# KiCad board ae89fa26-SparkFun_Thing_Plus_ESP32-S3_panelized.kicad_pcb (continued)
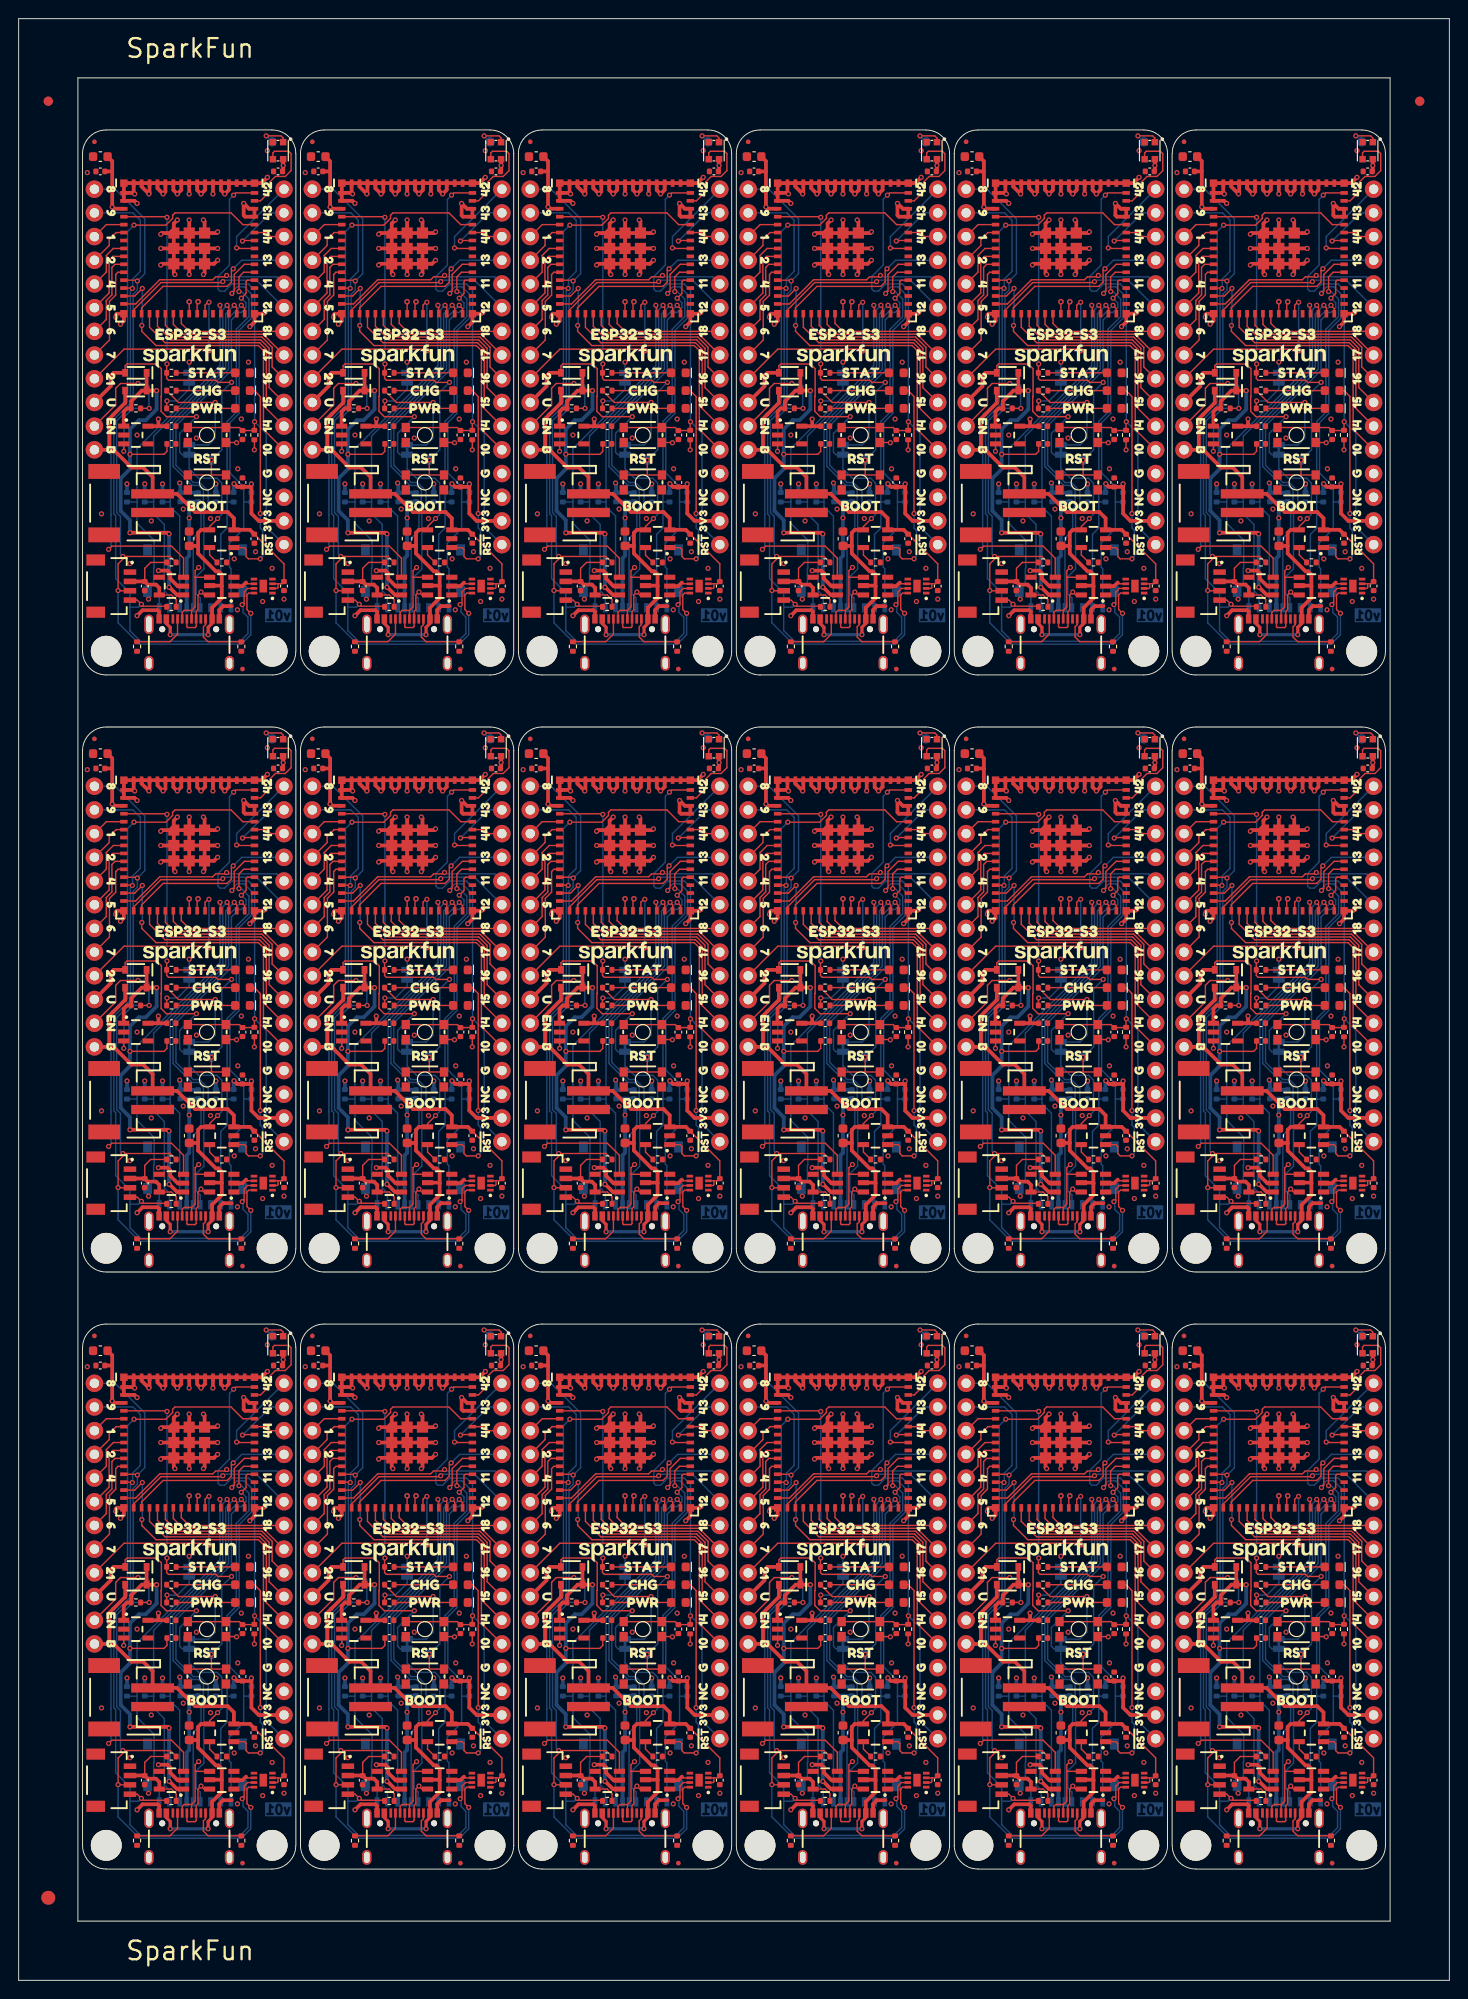
[diagram p0: board, top side]
## Routing (per net, layer and track width the routed paths; a pad name or vN(x,y) marks a point on that pad's centre or on a via; arc(x,y) is an arc through that point) (continued)
ESP34/SDIO_CMD: length 675.5
  Top w0.152: v1(46.47,179.55) 46.74,179.28 U3.29 ; v1(116.55,51.55) 116.82,51.28 U3#14.29 ; v1(93.19,115.55) 93.46,115.28 U3#15.29 ; v1(23.11,51.55) 23.38,51.28 U3#18.29 ; U3#4.29 23.38,115.28 v1(23.11,115.55) ; U3#17.29 70.1,51.28 v1(69.83,51.55) ; U3#2.29 46.74,51.28 v1(46.47,51.55) ; U3#9.29 116.82,115.28 v1(116.55,115.55) ; U3#5.29 46.74,115.28 v1(46.47,115.55) ; v1(116.55,179.55) 116.82,179.28 U3#6.29 ; v1(23.11,179.55) 23.38,179.28 U3#3.29 ; U3#10.29 93.46,179.28 v1(93.19,179.55) ; v1(139.91,51.55) 140.18,51.28 U3#16.29 ; U3#8.29 70.1,115.28 v1(69.83,115.55) ; v1(139.91,115.55) 140.18,115.28 U3#12.29 ; U3#7.29 70.1,179.28 v1(69.83,179.55) ; U3#13.29 140.18,179.28 v1(139.91,179.55) ; U3#11.29 93.46,51.28 v1(93.19,51.55)
  Bottom w0.152: v1(69.83,179.55) 68.91,178.64 68.91,172.82 62.97,166.88 62.97,158.47 ; v1(116.55,115.55) 115.63,114.64 115.63,108.82 109.69,102.88 109.69,94.47 ; 86.33,30.47 86.33,30.47 R1#3.2 ; 86.33,30.47 86.33,29.96 87.34,28.95 87.34,19.13 ; 86.33,30.47 86.33,38.88 92.27,44.82 92.27,50.64 v1(93.19,51.55) ; 16.25,158.47 16.25,157.96 17.27,156.95 J2#13.3 ; 16.25,158.47 16.25,166.88 22.19,172.82 22.19,178.64 v1(23.11,179.55) ; 16.25,158.47 16.25,158.47 R1#8.2 ; 86.33,94.47 86.33,102.88 92.27,108.82 92.27,114.64 v1(93.19,115.55) ; 86.33,94.47 86.33,93.96 87.34,92.95 J2#16.3 ; 86.33,94.47 86.33,94.47 R1#10.2 ; 62.97,30.47 62.97,30.47 R1#6.2 ; 62.97,30.47 62.97,38.88 68.91,44.82 68.91,50.64 v1(69.83,51.55) ; 62.97,30.47 62.97,29.96 63.99,28.95 63.99,19.13 ; 110.71,147.13 110.71,156.95 109.69,157.96 109.69,158.47 ; J2#4.3 40.62,156.95 39.61,157.96 39.61,158.47 ; v1(46.47,115.55) 45.55,114.64 45.55,108.82 39.61,102.88 39.61,94.47 ; 134.06,19.13 134.06,28.95 133.05,29.96 133.05,30.47 ; R1#9.2 39.61,158.47 39.61,158.47 ; 109.69,158.47 109.69,158.47 R1#2.2 ; 109.69,158.47 109.69,166.88 115.63,172.82 115.63,178.64 v1(116.55,179.55) ; 109.69,94.47 109.69,94.47 R1#14.2 ; 109.69,94.47 109.69,93.96 110.71,92.95 110.71,83.13 ; R1#11.2 109.69,30.47 109.69,30.47 ; 39.61,30.47 39.61,38.88 45.55,44.82 45.55,50.64 v1(46.47,51.55) ; 39.61,30.47 39.61,29.96 40.62,28.95 40.62,19.13 ; 39.61,30.47 39.61,30.47 R1#5.2 ; v1(23.11,115.55) 22.19,114.64 22.19,108.82 16.25,102.88 16.25,94.47 ; 39.61,158.47 39.61,166.88 45.55,172.82 45.55,178.64 v1(46.47,179.55) ; v1(139.91,115.55) 138.99,114.64 138.99,108.82 133.05,102.88 133.05,94.47 ; 17.27,19.13 17.27,28.95 16.25,29.96 16.25,30.47 ; 133.05,158.47 133.05,157.96 134.06,156.95 J2#18.3 ; 133.05,158.47 133.05,158.47 R1#16.2 ; 133.05,158.47 133.05,166.88 138.99,172.82 138.99,178.64 v1(139.91,179.55) ; R1#18.2 16.25,30.47 16.25,30.47 ; J2#10.3 134.06,92.95 133.05,93.96 133.05,94.47 ; 109.69,30.47 109.69,29.96 110.71,28.95 110.71,19.13 ; 109.69,30.47 109.69,38.88 115.63,44.82 115.63,50.64 v1(116.55,51.55) ; 133.05,94.47 133.05,94.47 R1#17.2 ; 62.97,158.47 62.97,157.96 63.99,156.95 63.99,147.13 ; 62.97,158.47 62.97,158.47 R1#13.2 ; J2#6.3 87.34,156.95 86.33,157.96 86.33,158.47 ; v1(139.91,51.55) 138.99,50.64 138.99,44.82 133.05,38.88 133.05,30.47 ; 16.25,94.47 16.25,93.96 17.27,92.95 J2#7.3 ; 16.25,94.47 16.25,94.47 R1.2 ; 133.05,30.47 133.05,30.47 R1#4.2 ; 16.25,30.47 16.25,38.88 22.19,44.82 22.19,50.64 v1(23.11,51.55) ; 86.33,158.47 86.33,166.88 92.27,172.82 92.27,178.64 v1(93.19,179.55) ; 86.33,158.47 86.33,158.47 R1#12.2 ; 62.97,94.47 62.97,94.47 R1#7.2 ; 62.97,94.47 62.97,102.88 68.91,108.82 68.91,114.64 v1(69.83,115.55) ; 62.97,94.47 62.97,93.96 63.99,92.95 63.99,83.13 ; 39.61,94.47 39.61,93.96 40.62,92.95 J2#15.3 ; 39.61,94.47 39.61,94.47 R1#15.2
ESP38/SDIO_CLK: length 773.9
  Top w0.152: v1(93.95,116.32) 94.46,116.82 94.46,118.09 94.61,118.25 U3#15.34 ; v1(47.23,52.32) 47.74,52.82 47.74,54.09 47.89,54.25 U3#2.34 ; v1(117.31,116.32) 117.82,116.82 117.82,118.09 117.97,118.25 U3#9.34 ; U3#3.34 24.53,182.25 24.38,182.09 24.38,180.82 v1(23.87,180.32) ; U3#14.34 117.97,54.25 117.82,54.09 117.82,52.82 v1(117.31,52.32) ; U3#7.34 71.25,182.25 71.1,182.09 71.1,180.82 v1(70.59,180.32) ; v1(140.67,52.32) 141.18,52.82 141.18,54.09 141.33,54.25 U3#16.34 ; U3#5.34 47.89,118.25 47.74,118.09 47.74,116.82 v1(47.23,116.32) ; U3#18.34 24.53,54.25 24.38,54.09 24.38,52.82 v1(23.87,52.32) ; v1(93.95,52.32) 94.46,52.82 94.46,54.09 94.61,54.25 U3#11.34 ; v1(140.67,180.32) 141.18,180.82 141.18,182.09 141.33,182.25 U3#13.34 ; v1(70.59,52.32) 71.1,52.82 71.1,54.09 71.25,54.25 U3#17.34 ; v1(23.87,116.32) 24.38,116.82 24.38,118.09 24.53,118.25 U3#4.34 ; U3#10.34 94.61,182.25 94.46,182.09 94.46,180.82 v1(93.95,180.32) ; U3#8.34 71.25,118.25 71.1,118.09 71.1,116.82 v1(70.59,116.32) ; U3#12.34 141.33,118.25 141.18,118.09 141.18,116.82 v1(140.67,116.32) ; v1(117.31,180.32) 117.82,180.82 117.82,182.09 117.97,182.25 U3#6.34 ; U3.34 47.89,182.25 47.74,182.09 47.74,180.82 v1(47.23,180.32)
  Bottom w0.152: v1(70.59,116.32) 71.1,115.81 71.1,115.3 70.59,114.79 70.33,114.79 69.52,113.98 69.52,108.57 63.58,102.63 63.58,98.41 65.43,96.55 66.12,96.55 67.03,95.64 67.03,94.47 ; 67.03,30.47 67.03,30.04 66.57,29.58 66.57,23.29 65.74,22.45 65.74,20.63 66.19,20.19 66.19,19.13 ; 67.03,30.47 67.03,31.64 66.12,32.55 65.43,32.55 63.58,34.41 63.58,38.63 69.52,44.57 69.52,49.98 70.33,50.79 70.59,50.79 71.1,51.3 71.1,51.81 v1(70.59,52.32) ; 67.03,30.47 67.03,30.47 R2#12.2 ; R2#9.2 90.39,94.47 90.39,94.47 ; 137.11,30.47 137.11,30.47 R2#17.2 ; 137.11,30.47 137.11,31.64 136.2,32.55 135.51,32.55 133.66,34.41 133.66,38.63 139.6,44.57 139.6,49.98 140.41,50.79 140.67,50.79 141.18,51.3 141.18,51.81 v1(140.67,52.32) ; 137.11,30.47 137.11,30.04 136.65,29.58 136.65,23.29 135.82,22.45 135.82,20.63 136.26,20.19 136.26,19.13 ; 43.67,30.47 43.67,30.47 R2#6.2 ; 43.67,30.47 43.67,31.64 42.76,32.55 42.07,32.55 40.22,34.41 40.22,38.63 46.16,44.57 46.16,49.98 46.97,50.79 47.23,50.79 47.74,51.3 47.74,51.81 v1(47.23,52.32) ; 43.67,30.47 43.67,30.04 43.21,29.58 43.21,23.29 42.38,22.45 42.38,20.63 42.82,20.19 42.82,19.13 ; J2#16.5 89.54,84.19 89.1,84.63 89.1,86.45 89.93,87.29 89.93,93.58 90.39,94.04 90.39,94.47 ; J2#6.5 89.54,148.19 89.1,148.63 89.1,150.45 89.93,151.29 89.93,157.58 90.39,158.04 90.39,158.47 ; 19.47,19.13 19.47,20.19 19.02,20.63 19.02,22.45 19.85,23.29 19.85,29.58 20.31,30.04 20.31,30.47 ; v1(47.23,116.32) 47.74,115.81 47.74,115.3 47.23,114.79 46.97,114.79 46.16,113.98 46.16,108.57 40.22,102.63 40.22,98.41 42.07,96.55 42.76,96.55 43.67,95.64 43.67,94.47 ; v1(117.31,52.32) 117.82,51.81 117.82,51.3 117.31,50.79 117.05,50.79 116.24,49.98 116.24,44.57 110.3,38.63 110.3,34.41 112.15,32.55 112.84,32.55 113.75,31.64 113.75,30.47 ; 90.39,94.47 90.39,95.64 89.48,96.55 88.79,96.55 86.94,98.41 86.94,102.63 92.88,108.57 92.88,113.98 93.69,114.79 93.95,114.79 94.46,115.3 94.46,115.81 v1(93.95,116.32) ; v1(117.31,116.32) 117.82,115.81 117.82,115.3 117.31,114.79 117.05,114.79 116.24,113.98 116.24,108.57 110.3,102.63 110.3,98.41 112.15,96.55 112.84,96.55 113.75,95.64 113.75,94.47 ; 113.75,94.47 113.75,94.04 113.29,93.58 113.29,87.29 112.46,86.45 112.46,84.63 112.91,84.19 J2#17.5 ; 113.75,94.47 113.75,94.47 R2#10.2 ; J2#13.5 19.47,148.19 19.02,148.63 19.02,150.45 19.85,151.29 19.85,157.58 20.31,158.04 20.31,158.47 ; 137.11,94.47 137.11,94.04 136.65,93.58 136.65,87.29 135.82,86.45 135.82,84.63 136.26,84.19 J2#10.5 ; 137.11,94.47 137.11,95.64 136.2,96.55 135.51,96.55 133.66,98.41 133.66,102.63 139.6,108.57 139.6,113.98 140.41,114.79 140.67,114.79 141.18,115.3 141.18,115.81 v1(140.67,116.32) ; 137.11,94.47 137.11,94.47 R2#16.2 ; R2.2 90.39,30.47 90.39,30.47 ; R2#15.2 113.75,158.47 113.75,158.47 ; 113.75,158.47 113.75,158.04 113.29,157.58 113.29,151.29 112.46,150.45 112.46,148.63 112.91,148.19 J2#9.5 ; 113.75,158.47 113.75,159.64 112.84,160.55 112.15,160.55 110.3,162.41 110.3,166.63 116.24,172.57 116.24,177.98 117.05,178.79 117.31,178.79 117.82,179.3 117.82,179.81 v1(117.31,180.32) ; 137.11,158.47 137.11,158.47 R2#11.2 ; 137.11,158.47 137.11,158.04 136.65,157.58 136.65,151.29 135.82,150.45 135.82,148.63 136.26,148.19 J2#18.5 ; 137.11,158.47 137.11,159.64 136.2,160.55 135.51,160.55 133.66,162.41 133.66,166.63 139.6,172.57 139.6,177.98 140.41,178.79 140.67,178.79 141.18,179.3 141.18,179.81 v1(140.67,180.32) ; 67.03,94.47 67.03,94.47 R2#2.2 ; 67.03,94.47 67.03,94.04 66.57,93.58 66.57,87.29 65.74,86.45 65.74,84.63 66.19,84.19 J2#12.5 ; 89.54,19.13 89.54,20.19 89.1,20.63 89.1,22.45 89.93,23.29 89.93,29.58 90.39,30.04 90.39,30.47 ; v1(47.23,180.32) 47.74,179.81 47.74,179.3 47.23,178.79 46.97,178.79 46.16,177.98 46.16,172.57 40.22,166.63 40.22,162.41 42.07,160.55 42.76,160.55 43.67,159.64 43.67,158.47 ; 20.31,158.47 20.31,158.47 R2#5.2 ; 20.31,158.47 20.31,159.64 19.4,160.55 18.71,160.55 16.86,162.41 16.86,166.63 22.8,172.57 22.8,177.98 23.61,178.79 23.87,178.79 24.38,179.3 24.38,179.81 v1(23.87,180.32) ; 67.03,158.47 67.03,158.47 R2#13.2 ; 67.03,158.47 67.03,158.04 66.57,157.58 66.57,151.29 65.74,150.45 65.74,148.63 66.19,148.19 J2#14.5 ; 67.03,158.47 67.03,159.64 66.12,160.55 65.43,160.55 63.58,162.41 63.58,166.63 69.52,172.57 69.52,177.98 70.33,178.79 70.59,178.79 71.1,179.3 71.1,179.81 v1(70.59,180.32) ; 112.91,19.13 112.91,20.19 112.46,20.63 112.46,22.45 113.29,23.29 113.29,29.58 113.75,30.04 113.75,30.47 ; 43.67,94.47 43.67,94.47 R2#8.2 ; 43.67,94.47 43.67,94.04 43.21,93.58 43.21,87.29 42.38,86.45 42.38,84.63 42.82,84.19 J2#15.5 ; R2#3.2 113.75,30.47 113.75,30.47 ; R2#4.2 20.31,94.47 20.31,94.47 ; 20.31,30.47 20.31,30.47 R2#18.2 ; 20.31,30.47 20.31,31.64 19.4,32.55 18.71,32.55 16.86,34.41 16.86,38.63 22.8,44.57 22.8,49.98 23.61,50.79 23.87,50.79 24.38,51.3 24.38,51.81 v1(23.87,52.32) ; v1(93.95,180.32) 94.46,179.81 94.46,179.3 93.95,178.79 93.69,178.79 92.88,177.98 92.88,172.57 86.94,166.63 86.94,162.41 88.79,160.55 89.48,160.55 90.39,159.64 90.39,158.47 ; 90.39,30.47 90.39,31.64 89.48,32.55 88.79,32.55 86.94,34.41 86.94,38.63 92.88,44.57 92.88,49.98 93.69,50.79 93.95,50.79 94.46,51.3 94.46,51.81 v1(93.95,52.32) ; 90.39,158.47 90.39,158.47 R2#14.2 ; 43.67,158.47 43.67,158.47 R2#7.2 ; 43.67,158.47 43.67,158.04 43.21,157.58 43.21,151.29 42.38,150.45 42.38,148.63 42.82,148.19 J2#4.5 ; 20.31,94.47 20.31,94.04 19.85,93.58 19.85,87.29 19.02,86.45 19.02,84.63 19.47,84.19 J2#7.5 ; 20.31,94.47 20.31,95.64 19.4,96.55 18.71,96.55 16.86,98.41 16.86,102.63 22.8,108.57 22.8,113.98 23.61,114.79 23.87,114.79 24.38,115.3 24.38,115.81 v1(23.87,116.32)
ESP39/SDIO0: length 718
  Top w0.152: v1(117.05,181.03) 117.05,182.6 117.55,183.1 U3#6.35 ; U3#10.35 94.19,183.1 93.69,182.6 v1(93.69,181.03) ; U3#2.35 47.47,55.1 46.97,54.6 v1(46.97,53.03) ; v1(70.33,181.03) 70.33,182.6 70.83,183.1 U3#7.35 ; v1(140.41,53.03) 140.41,54.6 140.91,55.1 U3#16.35 ; v1(93.69,53.03) 93.69,54.6 94.19,55.1 U3#11.35 ; U3#12.35 140.91,119.1 140.41,118.6 v1(140.41,117.03) ; v1(23.61,53.03) 23.61,54.6 24.11,55.1 U3#18.35 ; U3#3.35 24.11,183.1 23.61,182.6 v1(23.61,181.03) ; U3#5.35 47.47,119.1 46.97,118.6 v1(46.97,117.03) ; v1(46.97,181.03) 46.97,182.6 47.47,183.1 U3.35 ; U3#9.35 117.55,119.1 117.05,118.6 v1(117.05,117.03) ; v1(70.33,117.03) 70.33,118.6 70.83,119.1 U3#8.35 ; v1(117.05,53.03) 117.05,54.6 117.55,55.1 U3#14.35 ; v1(140.41,181.03) 140.41,182.6 140.91,183.1 U3#13.35 ; U3#17.35 70.83,55.1 70.33,54.6 v1(70.33,53.03) ; v1(93.69,117.03) 93.69,118.6 94.19,119.1 U3#15.35 ; U3#4.35 24.11,119.1 23.61,118.6 v1(23.61,117.03)
  Bottom w0.152: 45.7,94.47 45.71,94.47 R3#11.2 ; 45.7,94.47 45.7,103.11 46.69,104.09 46.69,112.98 48.04,114.34 48.04,116.22 47.24,117.03 v1(46.97,117.03) ; 45.7,94.47 45.7,91.68 45.03,91 J2#15.7 ; 22.34,30.47 22.34,39.11 23.33,40.09 23.33,48.98 24.68,50.34 24.68,52.22 23.88,53.03 v1(23.61,53.03) ; 22.34,30.47 22.34,27.68 21.67,27 21.67,19.13 ; 22.34,30.47 22.35,30.47 R3#18.2 ; 22.34,94.47 22.35,94.47 R3#5.2 ; 22.34,94.47 22.34,103.11 23.33,104.09 23.33,112.98 24.68,114.34 24.68,116.22 23.88,117.03 v1(23.61,117.03) ; 22.34,94.47 22.34,91.68 21.67,91 J2#7.7 ; J2#12.7 68.38,91 69.06,91.68 69.06,94.47 ; 69.06,94.47 69.06,103.11 70.05,104.09 70.05,112.98 71.4,114.34 71.4,116.22 70.6,117.03 v1(70.33,117.03) ; 69.06,94.47 69.07,94.47 R3.2 ; R3#6.2 45.71,30.47 45.7,30.47 ; R3#12.2 22.35,158.47 22.34,158.47 ; 92.42,94.47 92.42,103.11 93.41,104.09 93.41,112.98 94.76,114.34 94.76,116.22 93.96,117.03 v1(93.69,117.03) ; 92.42,94.47 92.43,94.47 R3#14.2 ; 92.42,94.47 92.42,91.68 91.75,91 J2#16.7 ; J2#17.7 115.1,91 115.78,91.68 115.78,94.47 ; 68.38,19.13 68.38,27 69.06,27.68 69.06,30.47 ; 139.14,158.47 139.15,158.47 R3#2.2 ; 139.14,158.47 139.14,155.68 138.47,155 J2#18.7 ; 139.14,158.47 139.14,167.11 140.13,168.09 140.13,176.98 141.48,178.34 141.48,180.22 140.68,181.03 v1(140.41,181.03) ; v1(70.33,53.03) 70.6,53.03 71.4,52.22 71.4,50.34 70.05,48.98 70.05,40.09 69.06,39.11 69.06,30.47 ; R3#3.2 69.07,30.47 69.06,30.47 ; 139.14,30.47 139.14,27.68 138.47,27 138.47,19.13 ; 139.14,30.47 139.15,30.47 R3#4.2 ; 139.14,30.47 139.14,39.11 140.13,40.09 140.13,48.98 141.48,50.34 141.48,52.22 140.68,53.03 v1(140.41,53.03) ; 115.78,158.47 115.78,167.11 116.77,168.09 116.77,176.98 118.12,178.34 118.12,180.22 117.32,181.03 v1(117.05,181.03) ; 115.78,158.47 115.79,158.47 R3#16.2 ; 115.78,158.47 115.78,155.68 115.1,155 J2#9.7 ; R3#15.2 115.79,94.47 115.78,94.47 ; 92.42,158.47 92.43,158.47 R3#9.2 ; 92.42,158.47 92.42,167.11 93.41,168.09 93.41,176.98 94.76,178.34 94.76,180.22 93.96,181.03 v1(93.69,181.03) ; 92.42,158.47 92.42,155.68 91.75,155 J2#6.7 ; v1(46.97,53.03) 47.24,53.03 48.04,52.22 48.04,50.34 46.69,48.98 46.69,40.09 45.7,39.11 45.7,30.47 ; 69.06,158.47 69.06,155.68 68.38,155 J2#14.7 ; 69.06,158.47 69.07,158.47 R3#10.2 ; 69.06,158.47 69.06,167.11 70.05,168.09 70.05,176.98 71.4,178.34 71.4,180.22 70.6,181.03 v1(70.33,181.03) ; v1(23.61,181.03) 23.88,181.03 24.68,180.22 24.68,178.34 23.33,176.98 23.33,168.09 22.34,167.11 22.34,158.47 ; 92.42,30.47 92.42,27.68 91.75,27 91.75,19.13 ; 92.42,30.47 92.43,30.47 R3#8.2 ; 92.42,30.47 92.42,39.11 93.41,40.09 93.41,48.98 94.76,50.34 94.76,52.22 93.96,53.03 v1(93.69,53.03) ; 22.34,158.47 22.34,155.68 21.67,155 J2#13.7 ; 45.7,30.47 45.7,27.68 45.03,27 45.03,19.13 ; R3#13.2 115.79,30.47 115.78,30.47 ; 45.7,158.47 45.7,155.68 45.03,155 J2#4.7 ; 45.7,158.47 45.7,167.11 46.69,168.09 46.69,176.98 48.04,178.34 48.04,180.22 47.24,181.03 v1(46.97,181.03) ; 45.7,158.47 45.71,158.47 R3#7.2 ; 115.78,94.47 115.78,103.11 116.77,104.09 116.77,112.98 118.12,114.34 118.12,116.22 117.32,117.03 v1(117.05,117.03) ; 139.14,94.47 139.14,91.68 138.47,91 J2#10.7 ; 139.14,94.47 139.14,103.11 140.13,104.09 140.13,112.98 141.48,114.34 141.48,116.22 140.68,117.03 v1(140.41,117.03) ; 139.14,94.47 139.15,94.47 R3#17.2 ; v1(117.05,53.03) 117.32,53.03 118.12,52.22 118.12,50.34 116.77,48.98 116.77,40.09 115.78,39.11 115.78,30.47 ; 115.78,30.47 115.78,27.68 115.1,27 115.1,19.13
ESP40/SDIO1: length 797.8
  Top w0.152: U3#13.36 141,183.95 139.91,182.86 139.91,181.08 v1(139.65,180.82) ; v1(139.65,52.82) 139.91,53.08 139.91,54.86 141,55.95 U3#16.36 ; v1(92.93,52.82) 93.19,53.08 93.19,54.86 94.28,55.95 U3#11.36 ; U3#17.36 70.92,55.95 69.83,54.86 69.83,53.08 v1(69.57,52.82) ; v1(116.29,180.82) 116.55,181.08 116.55,182.86 117.64,183.95 U3#6.36 ; U3#2.36 47.56,55.95 46.47,54.86 46.47,53.08 v1(46.21,52.82) ; v1(22.85,52.82) 23.11,53.08 23.11,54.86 24.2,55.95 U3#18.36 ; U3#14.36 117.64,55.95 116.55,54.86 116.55,53.08 v1(116.29,52.82) ; v1(69.57,180.82) 69.83,181.08 69.83,182.86 70.92,183.95 U3#7.36 ; U3.36 47.56,183.95 46.47,182.86 46.47,181.08 v1(46.21,180.82) ; v1(116.29,116.82) 116.55,117.08 116.55,118.86 117.64,119.95 U3#9.36 ; v1(22.85,180.82) 23.11,181.08 23.11,182.86 24.2,183.95 U3#3.36 ; v1(92.93,180.82) 93.19,181.08 93.19,182.86 94.28,183.95 U3#10.36 ; U3#15.36 94.28,119.95 93.19,118.86 93.19,117.08 v1(92.93,116.82) ; v1(46.21,116.82) 46.47,117.08 46.47,118.86 47.56,119.95 U3#5.36 ; U3#8.36 70.92,119.95 69.83,118.86 69.83,117.08 v1(69.57,116.82) ; U3#12.36 141,119.95 139.91,118.86 139.91,117.08 v1(139.65,116.82) ; v1(22.85,116.82) 23.11,117.08 23.11,118.86 24.2,119.95 U3#4.36
  Bottom w0.152: 140.92,158.47 140.92,155.61 139.4,154.08 139.4,151.49 139.56,151.32 J2#18.8 ; 140.92,158.47 140.92,160.11 139.45,161.58 139.45,166.98 140.43,167.97 140.43,176.86 141.79,178.21 141.79,180.72 140.97,181.54 140.2,181.54 139.65,180.98 v1(139.65,180.82) ; 140.92,158.47 140.92,158.47 R4#17.2 ; v1(69.57,180.82) 69.57,180.98 70.12,181.54 70.89,181.54 71.71,180.72 71.71,178.21 70.35,176.86 70.35,167.97 69.37,166.98 69.37,161.58 70.84,160.11 70.84,158.47 ; R4#2.2 24.12,158.47 24.12,158.47 ; 92.84,19.13 92.84,23.32 92.68,23.49 92.68,26.08 94.2,27.61 94.2,30.47 ; 117.56,94.47 117.56,94.47 R4#13.2 ; 117.56,94.47 117.56,91.61 116.04,90.08 116.04,87.49 116.21,87.32 116.21,83.13 ; 117.56,94.47 117.56,96.11 116.09,97.58 116.09,102.98 117.07,103.97 117.07,112.86 118.43,114.21 118.43,116.72 117.61,117.54 116.84,117.54 116.29,116.98 v1(116.29,116.82) ; 70.84,158.47 70.84,155.61 69.32,154.08 69.32,151.49 69.49,151.32 69.49,147.13 ; 70.84,158.47 70.84,158.47 R4#8.2 ; 47.48,158.47 47.48,155.61 45.96,154.08 45.96,151.49 46.12,151.32 J2#4.8 ; 47.48,158.47 47.48,160.11 46.01,161.58 46.01,166.98 46.99,167.97 46.99,176.86 48.35,178.21 48.35,180.72 47.53,181.54 46.76,181.54 46.21,180.98 v1(46.21,180.82) ; 47.48,158.47 47.48,158.47 R4#3.2 ; R4#14.2 117.56,158.47 117.56,158.47 ; J2#7.8 22.77,87.32 22.6,87.49 22.6,90.08 24.12,91.61 24.12,94.47 ; 94.2,94.47 94.2,91.61 92.68,90.08 92.68,87.49 92.84,87.32 J2#16.8 ; 94.2,94.47 94.2,96.11 92.73,97.58 92.73,102.98 93.71,103.97 93.71,112.86 95.07,114.21 95.07,116.72 94.25,117.54 93.48,117.54 92.93,116.98 v1(92.93,116.82) ; 94.2,94.47 94.2,94.47 R4#10.2 ; J2#6.8 92.84,151.32 92.68,151.49 92.68,154.08 94.2,155.61 94.2,158.47 ; 47.48,94.47 47.48,96.11 46.01,97.58 46.01,102.98 46.99,103.97 46.99,112.86 48.35,114.21 48.35,116.72 47.53,117.54 46.76,117.54 46.21,116.98 v1(46.21,116.82) ; 47.48,94.47 47.48,94.47 R4#6.2 ; 47.48,94.47 47.48,91.61 45.96,90.08 45.96,87.49 46.12,87.32 J2#15.8 ; R4#4.2 47.48,30.47 47.48,30.47 ; R4#15.2 140.92,30.47 140.92,30.47 ; 139.56,19.13 139.56,23.32 139.4,23.49 139.4,26.08 140.92,27.61 140.92,30.47 ; 24.12,158.47 24.12,155.61 22.6,154.08 22.6,151.49 22.77,151.32 J2#13.8 ; 24.12,158.47 24.12,160.11 22.65,161.58 22.65,166.98 23.63,167.97 23.63,176.86 24.99,178.21 24.99,180.72 24.17,181.54 23.4,181.54 22.85,180.98 v1(22.85,180.82) ; 24.12,94.47 24.12,94.47 R4#5.2 ; 24.12,94.47 24.12,96.11 22.65,97.58 22.65,102.98 23.63,103.97 23.63,112.86 24.99,114.21 24.99,116.72 24.17,117.54 23.4,117.54 22.85,116.98 v1(22.85,116.82) ; 70.84,94.47 70.84,94.47 R4#7.2 ; 70.84,94.47 70.84,91.61 69.32,90.08 69.32,87.49 69.49,87.32 69.49,83.13 ; 70.84,94.47 70.84,96.11 69.37,97.58 69.37,102.98 70.35,103.97 70.35,112.86 71.71,114.21 71.71,116.72 70.89,117.54 70.12,117.54 69.57,116.98 v1(69.57,116.82) ; 140.92,30.47 140.92,32.11 139.45,33.58 139.45,38.98 140.43,39.97 140.43,48.86 141.79,50.21 141.79,52.72 140.97,53.54 140.2,53.54 139.65,52.98 v1(139.65,52.82) ; 94.2,158.47 94.2,158.47 R4#12.2 ; 94.2,158.47 94.2,160.11 92.73,161.58 92.73,166.98 93.71,167.97 93.71,176.86 95.07,178.21 95.07,180.72 94.25,181.54 93.48,181.54 92.93,180.98 v1(92.93,180.82) ; 117.56,158.47 117.56,160.11 116.09,161.58 116.09,166.98 117.07,167.97 117.07,176.86 118.43,178.21 118.43,180.72 117.61,181.54 116.84,181.54 116.29,180.98 v1(116.29,180.82) ; 117.56,158.47 117.56,155.61 116.04,154.08 116.04,151.49 116.21,151.32 116.21,147.13 ; 70.84,30.47 70.84,30.47 R4.2 ; 70.84,30.47 70.84,27.61 69.32,26.08 69.32,23.49 69.49,23.32 69.49,19.13 ; 70.84,30.47 70.84,32.11 69.37,33.58 69.37,38.98 70.35,39.97 70.35,48.86 71.71,50.21 71.71,52.72 70.89,53.54 70.12,53.54 69.57,52.98 v1(69.57,52.82) ; 22.77,19.13 22.77,23.32 22.6,23.49 22.6,26.08 24.12,27.61 24.12,30.47 ; 117.56,30.47 117.56,30.47 R4#11.2 ; 117.56,30.47 117.56,27.61 116.04,26.08 116.04,23.49 116.21,23.32 116.21,19.13 ; 117.56,30.47 117.56,32.11 116.09,33.58 116.09,38.98 117.07,39.97 117.07,48.86 118.43,50.21 118.43,52.72 117.61,53.54 116.84,53.54 116.29,52.98 v1(116.29,52.82) ; 24.12,30.47 24.12,30.47 R4#18.2 ; 24.12,30.47 24.12,32.11 22.65,33.58 22.65,38.98 23.63,39.97 23.63,48.86 24.99,50.21 24.99,52.72 24.17,53.54 23.4,53.54 22.85,52.98 v1(22.85,52.82) ; R4#9.2 94.2,30.47 94.2,30.47 ; 140.92,94.47 140.92,94.47 R4#16.2 ; 140.92,94.47 140.92,91.61 139.4,90.08 139.4,87.49 139.56,87.32 J2#10.8 ; 140.92,94.47 140.92,96.11 139.45,97.58 139.45,102.98 140.43,103.97 140.43,112.86 141.79,114.21 141.79,116.72 140.97,117.54 140.2,117.54 139.65,116.98 v1(139.65,116.82) ; 47.48,30.47 47.48,32.11 46.01,33.58 46.01,38.98 46.99,39.97 46.99,48.86 48.35,50.21 48.35,52.72 47.53,53.54 46.76,53.54 46.21,52.98 v1(46.21,52.82) ; 47.48,30.47 47.48,27.61 45.96,26.08 45.96,23.49 46.12,23.32 46.12,19.13 ; 94.2,30.47 94.2,32.11 92.73,33.58 92.73,38.98 93.71,39.97 93.71,48.86 95.07,50.21 95.07,52.72 94.25,53.54 93.48,53.54 92.93,52.98 v1(92.93,52.82)
ESP42/FREE: length 186.2
  Top w0.152: U3#16.38 140.48,57.65 140.43,57.7 v1(140.16,57.7) ; U3#12.38 140.48,121.65 140.43,121.7 v1(140.16,121.7) ; U3#9.38 117.12,121.65 117.07,121.7 v1(116.8,121.7) ; v1(140.16,185.7) 140.43,185.7 140.48,185.65 U3#13.38 ; v1(23.36,121.7) 23.63,121.7 23.68,121.65 U3#4.38 ; v1(23.36,57.7) 23.63,57.7 23.68,57.65 U3#18.38 ; U3#6.38 117.12,185.65 117.07,185.7 v1(116.8,185.7) ; U3#5.38 47.04,121.65 46.99,121.7 v1(46.72,121.7) ; v1(93.44,57.7) 93.71,57.7 93.76,57.65 U3#11.38 ; U3#8.38 70.4,121.65 70.35,121.7 v1(70.08,121.7) ; U3.38 47.04,185.65 46.99,185.7 v1(46.72,185.7) ; U3#7.38 70.4,185.65 70.35,185.7 v1(70.08,185.7) ; v1(93.44,185.7) 93.71,185.7 93.76,185.65 U3#10.38 ; v1(93.44,121.7) 93.71,121.7 93.76,121.65 U3#15.38 ; U3#3.38 23.68,185.65 23.63,185.7 v1(23.36,185.7) ; U3#17.38 70.4,57.65 70.35,57.7 v1(70.08,57.7) ; v1(46.72,57.7) 46.99,57.7 47.04,57.65 U3#2.38 ; v1(116.8,57.7) 117.07,57.7 117.12,57.65 U3#14.38
  Bottom w0.152: v1(140.16,57.7) 140.16,58.92 U10#10.13 ; U10#5.13 46.72,186.92 v1(46.72,185.7) ; v1(23.36,121.7) 23.36,122.92 U10.13 ; U10#14.13 116.8,58.92 v1(116.8,57.7) ; U10#17.13 93.44,122.92 v1(93.44,121.7) ; U10#11.13 93.44,58.92 v1(93.44,57.7) ; v1(70.08,185.7) 70.08,186.92 U10#12.13 ; U10#8.13 140.16,122.92 v1(140.16,121.7) ; v1(140.16,185.7) 140.16,186.92 U10#7.13 ; U10#9.13 70.08,122.92 v1(70.08,121.7) ; U10#13.13 93.44,186.92 v1(93.44,185.7) ; v1(46.72,121.7) 46.72,122.92 U10#4.13 ; U10#3.13 46.72,58.92 v1(46.72,57.7) ; U10#6.13 70.08,58.92 v1(70.08,57.7) ; v1(23.36,185.7) 23.36,186.92 U10#2.13 ; U10#16.13 116.8,186.92 v1(116.8,185.7) ; U10#15.13 116.8,122.92 v1(116.8,121.7) ; v1(23.36,57.7) 23.36,58.92 U10#18.13
ESP43/TXO: length 126
  Top w0.152: U3#16.39 141.06,58.5 141,58.44 v1(140.79,58.44) ; v1(94.07,186.44) 94.28,186.44 94.34,186.5 U3#10.39 ; v1(24,186.44) 24.2,186.44 24.26,186.5 U3#3.39 ; U3#17.39 70.98,58.5 70.92,58.44 v1(70.72,58.44) ; v1(140.79,122.44) 141,122.44 141.06,122.5 U3#12.39 ; v1(94.07,58.44) 94.28,58.44 94.34,58.5 U3#11.39 ; v1(24,58.44) 24.2,58.44 24.26,58.5 U3#18.39 ; U3#13.39 141.06,186.5 141,186.44 v1(140.79,186.44) ; v1(47.35,122.44) 47.56,122.44 47.62,122.5 U3#5.39 ; U3#9.39 117.7,122.5 117.64,122.44 v1(117.44,122.44) ; U3#4.39 24.26,122.5 24.2,122.44 v1(24,122.44) ; v1(94.07,122.44) 94.28,122.44 94.34,122.5 U3#15.39 ; v1(117.44,186.44) 117.64,186.44 117.7,186.5 U3#6.39 ; v1(70.72,186.44) 70.92,186.44 70.98,186.5 U3#7.39 ; v1(117.44,58.44) 117.64,58.44 117.7,58.5 U3#14.39 ; U3#2.39 47.62,58.5 47.56,58.44 v1(47.35,58.44) ; U3.39 47.62,186.5 47.56,186.44 v1(47.35,186.44) ; v1(70.72,122.44) 70.92,122.44 70.98,122.5 U3#8.39
  Bottom w0.152: v1(47.35,58.44) 50.37,61.46 U10#3.14 ; v1(117.44,122.44) 120.45,125.46 U10#15.14 ; v1(140.79,186.44) 143.81,189.46 U10#7.14 ; U10#8.14 143.81,125.46 v1(140.79,122.44) ; U10#4.14 50.37,125.46 v1(47.35,122.44) ; v1(70.72,122.44) 73.73,125.46 U10#9.14 ; U10#2.14 27.01,189.46 v1(24,186.44) ; v1(94.07,122.44) 97.09,125.46 U10#17.14 ; U10#12.14 73.73,189.46 v1(70.72,186.44) ; U10#6.14 73.73,61.46 v1(70.72,58.44) ; U10#18.14 27.01,61.46 v1(24,58.44) ; v1(94.07,58.44) 97.09,61.46 U10#11.14 ; U10.14 27.01,125.46 v1(24,122.44) ; U10#10.14 143.81,61.46 v1(140.79,58.44) ; U10#16.14 120.45,189.46 v1(117.44,186.44) ; v1(47.35,186.44) 50.37,189.46 U10#5.14 ; v1(117.44,58.44) 120.45,61.46 U10#14.14 ; v1(94.07,186.44) 97.09,189.46 U10#13.14
ESP44/RXI: length 60.1
  Top w0.152: U3#15.40 96.66,123.35 97.09,122.92 U10#17.15 ; U3#6.40 120.02,187.35 120.45,186.92 U10#16.15 ; U10#5.15 50.37,186.92 49.94,187.35 U3.40 ; U3#17.40 73.3,59.35 73.73,58.92 U10#6.15 ; U3#4.40 26.58,123.35 27.01,122.92 U10.15 ; U10#7.15 143.81,186.92 143.38,187.35 U3#13.40 ; U10#13.15 97.09,186.92 96.66,187.35 U3#10.40 ; U3#7.40 73.3,187.35 73.73,186.92 U10#12.15 ; U10#15.15 120.45,122.92 120.02,123.35 U3#9.40 ; U10#4.15 50.37,122.92 49.94,123.35 U3#5.40 ; U10#10.15 143.81,58.92 143.38,59.35 U3#16.40 ; U3#11.40 96.66,59.35 97.09,58.92 U10#11.15 ; U10#18.15 27.01,58.92 26.58,59.35 U3#18.40 ; U3#14.40 120.02,59.35 120.45,58.92 U10#14.15 ; U10#3.15 50.37,58.92 49.94,59.35 U3#2.40 ; U10#9.15 73.73,122.92 73.3,123.35 U3#8.40 ; U3#3.40 26.58,187.35 27.01,186.92 U10#2.15 ; U3#12.40 143.38,123.35 143.81,122.92 U10#8.15
